# Altium PCB nova34.PcbDoc (part 1 of 4) (continued)
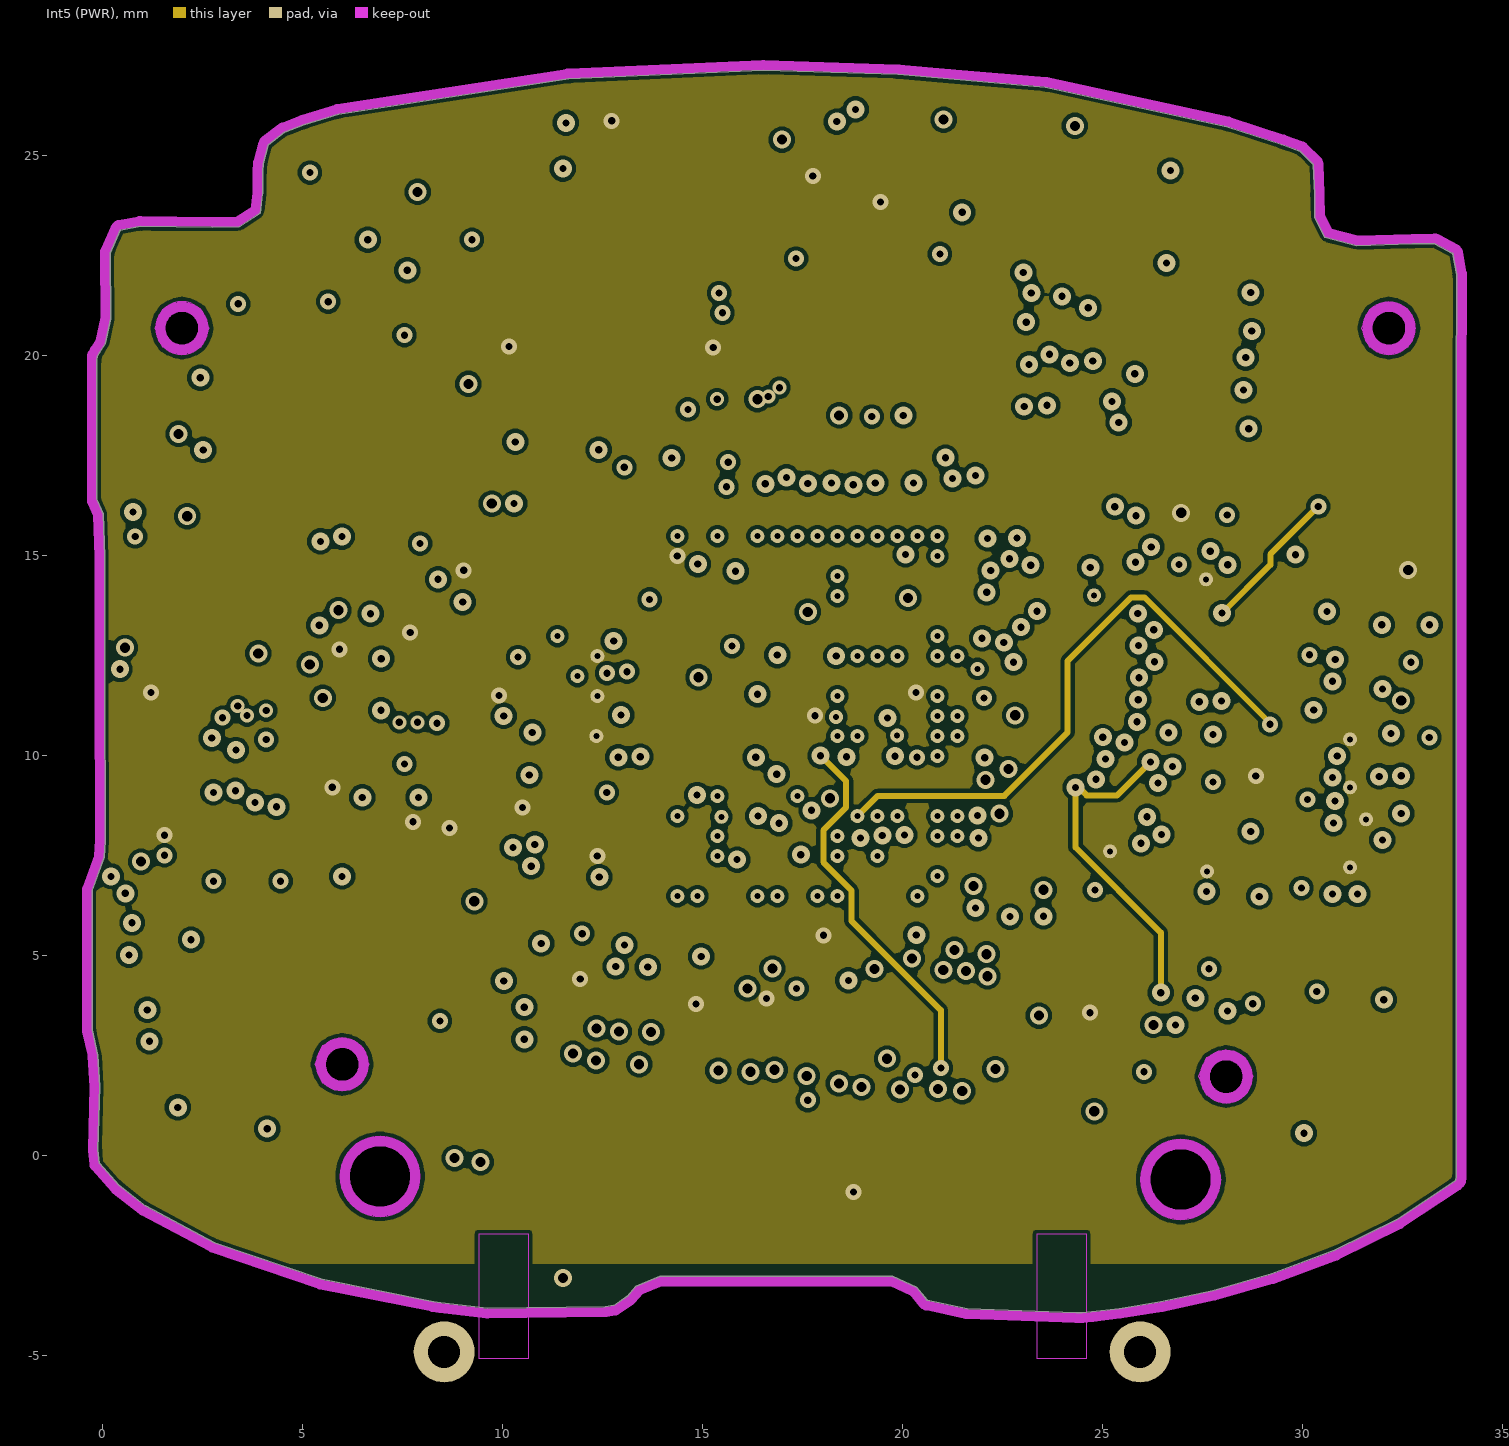
[diagram p6: Int5 (PWR)]
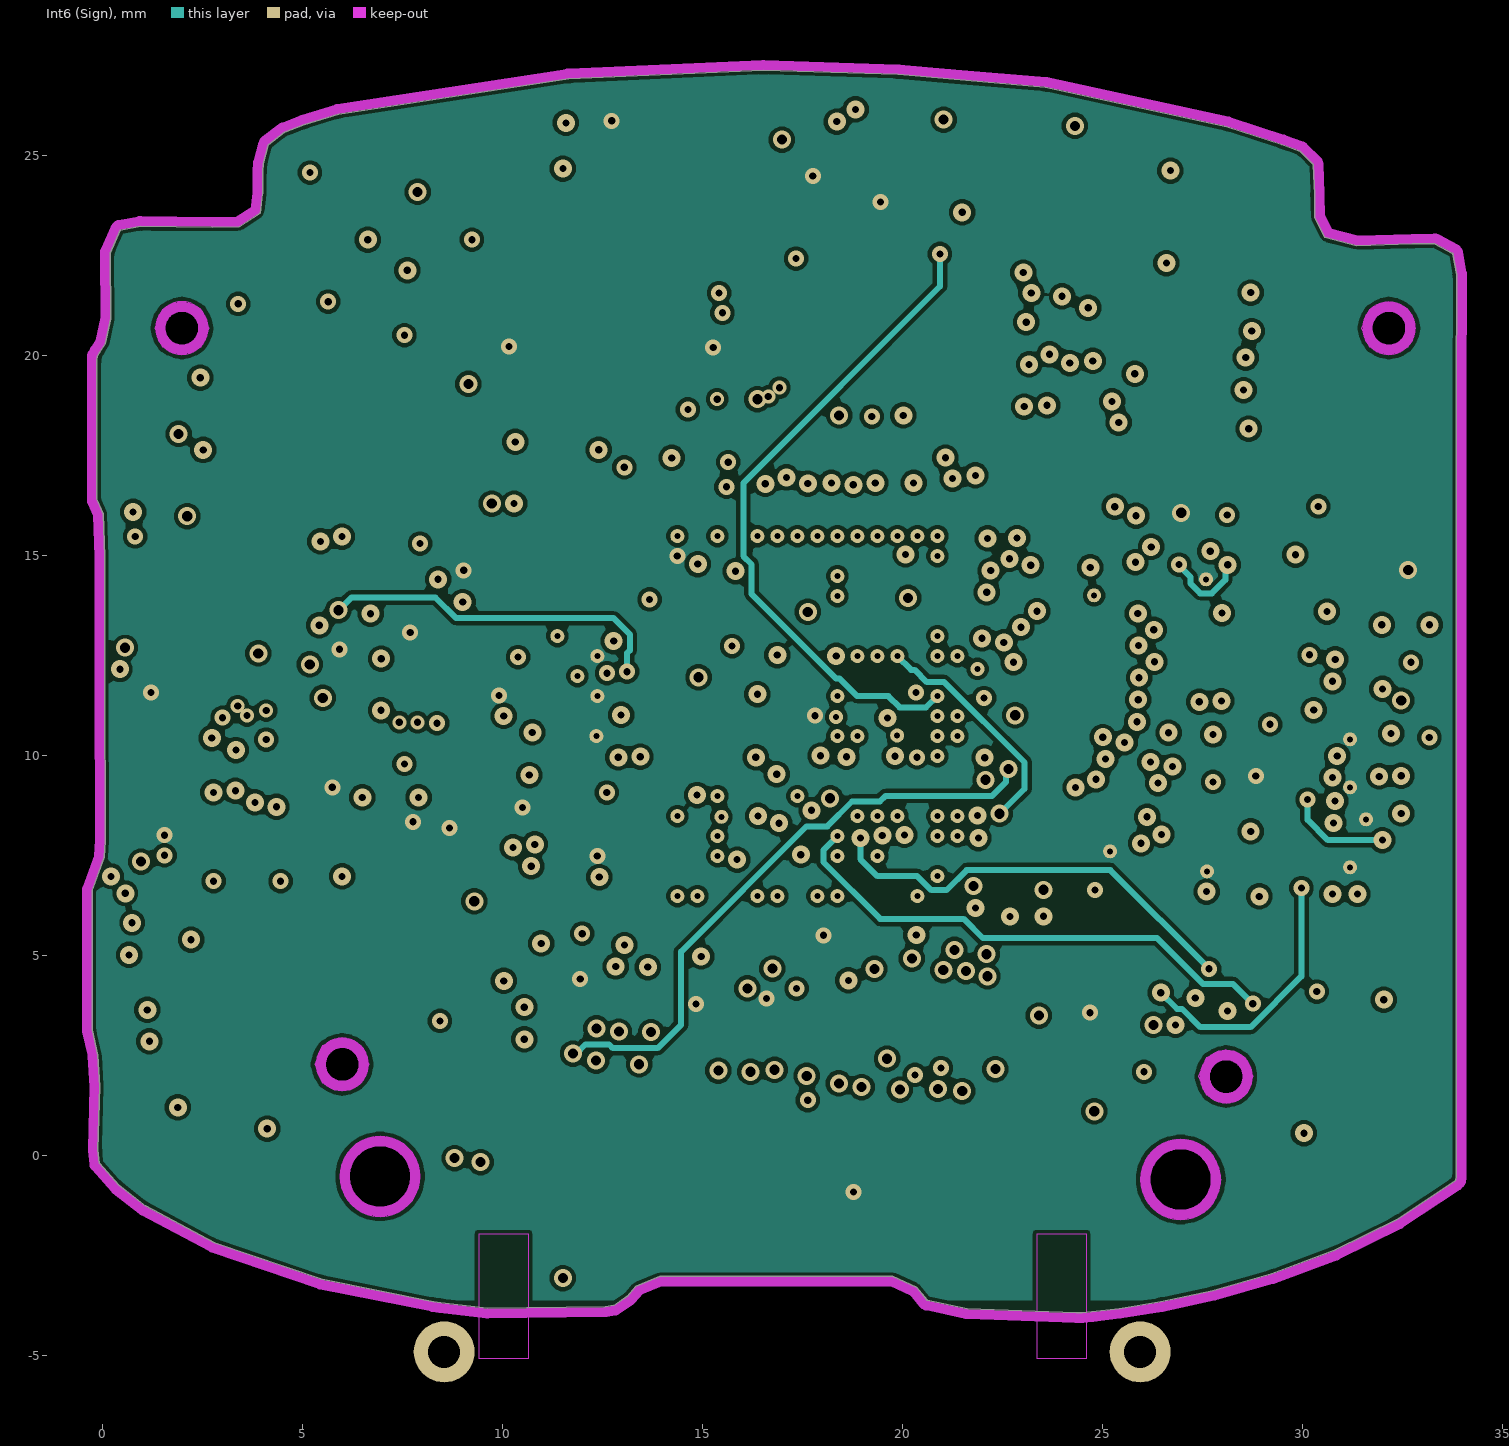
[diagram p7: Int6 (Sign)]
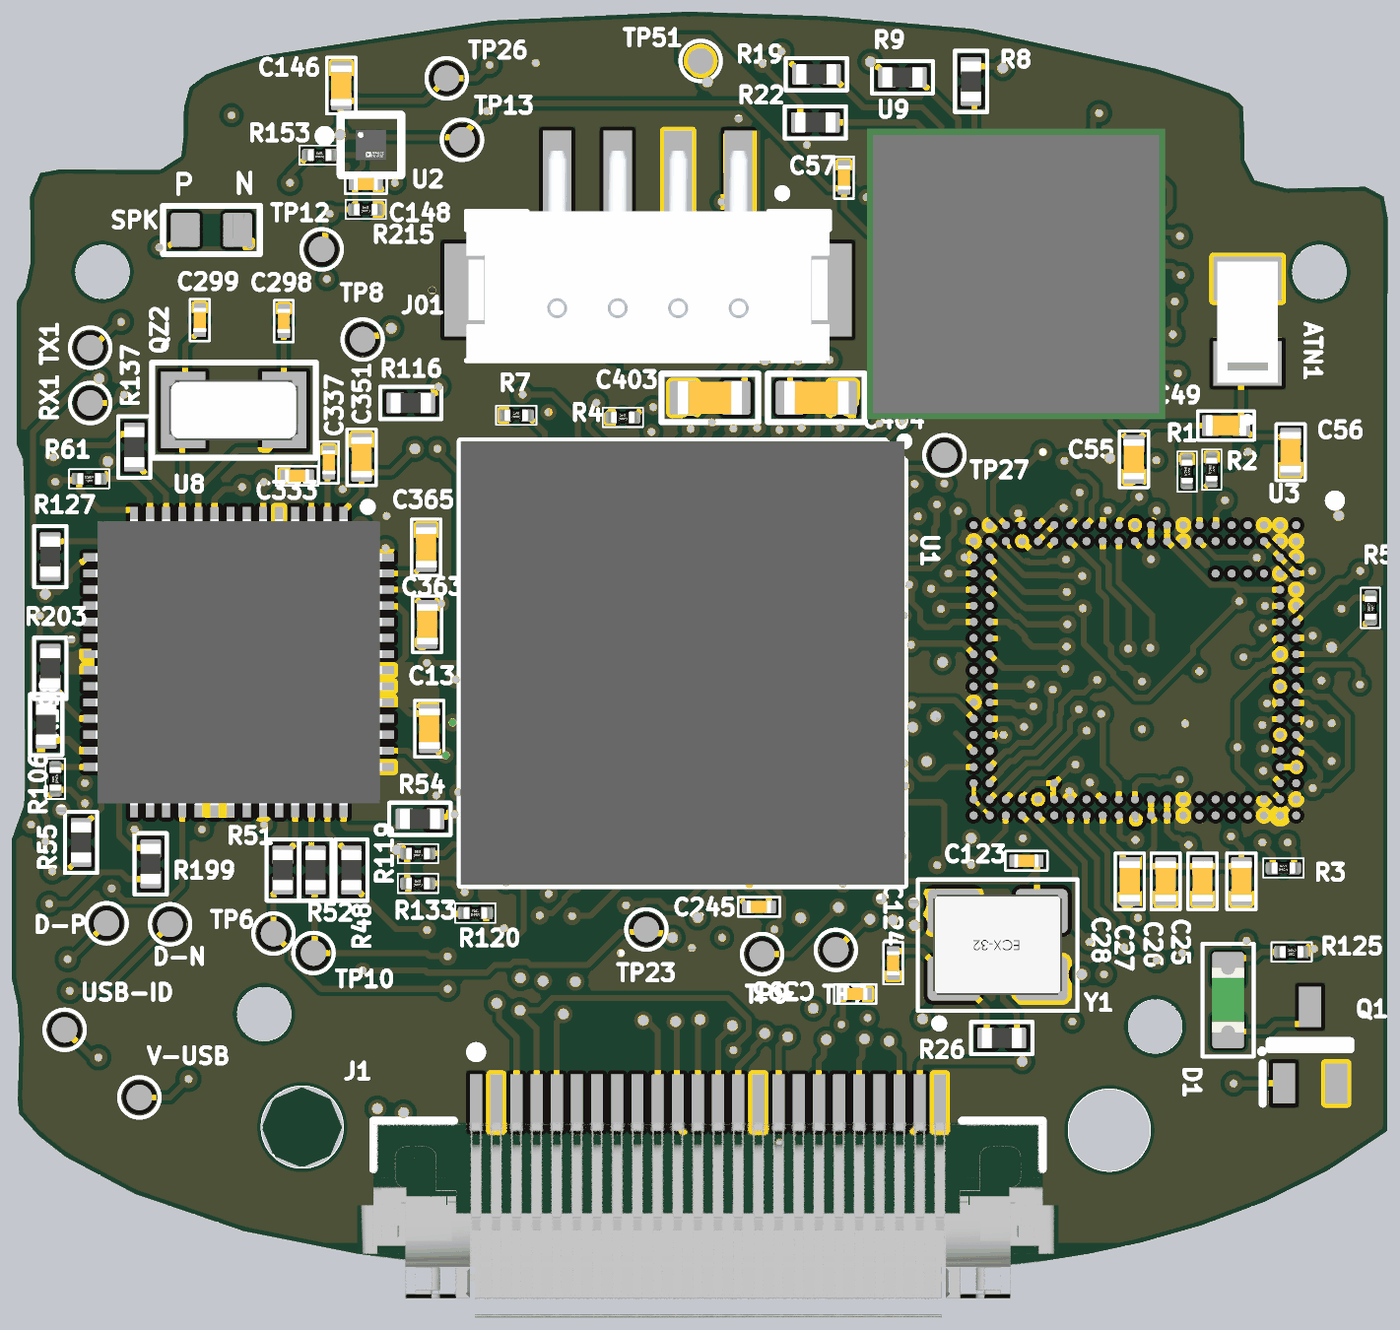
[diagram p11: 3D render of the assembled board from above, using the file's embedded part models]
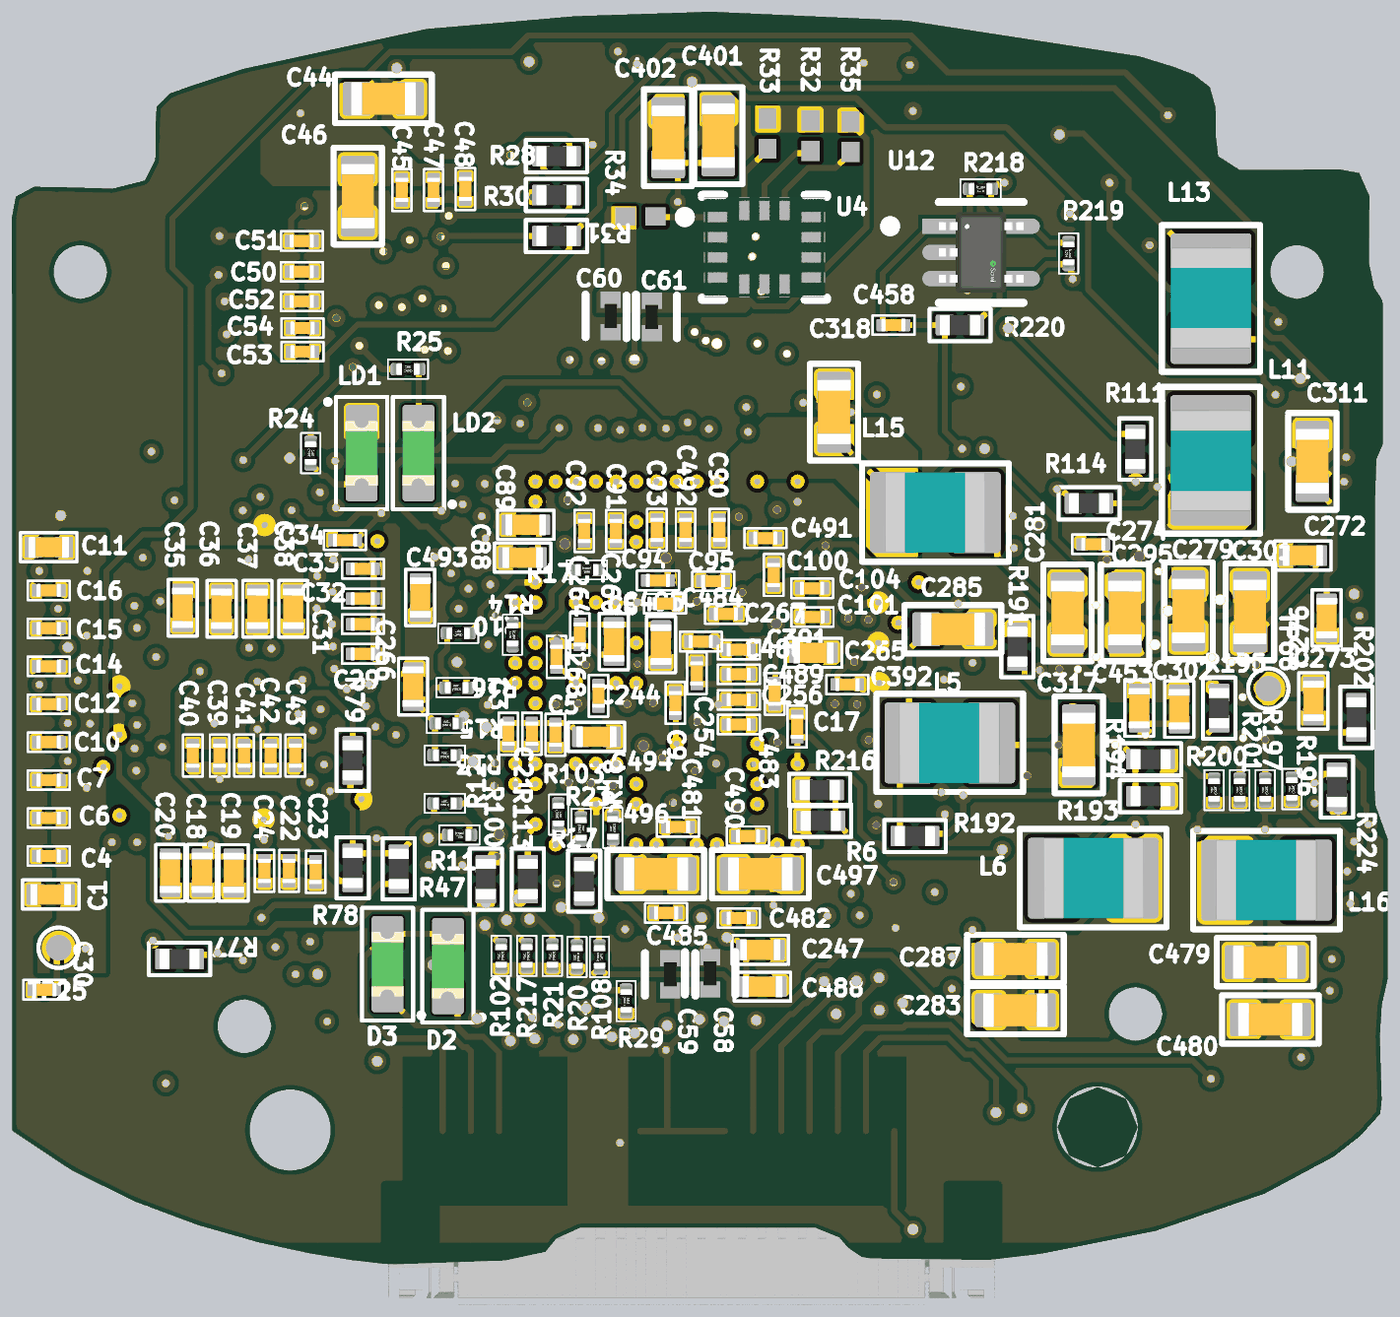
[diagram p12: 3D render of the assembled board from below, using the file's embedded part models]

## Layer stack, top to bottom
Top Solder: solder mask 0.0254, SM-001, Dk 4
Top Layer: signal copper 0.035
Dielectric 1: prepreg 0.0711, PP-006, Dk 4.1
Dielectric 2: prepreg 0.0711, PP-006, Dk 4.1
Int1 (Sign): signal copper 0.035
Dielectric 3: core 0.2286, Core-027, Dk 4.5
Int2 (GND): signal copper 0.035
Dielectric 4: prepreg 0.0711, PP-006, Dk 4.1
Dielectric 5: prepreg 0.0711, PP-006, Dk 4.1
Int3 (Sign): signal copper 0.035
Dielectric 6: core 0.2286, Core-027, Dk 4.5
Int4 (Sign): signal copper 0.035
Dielectric 7: prepreg 0.0711, PP-006, Dk 4.1
Dielectric 8: prepreg 0.0711, PP-006, Dk 4.1
Int5 (PWR): signal copper 0.035
Dielectric 9: core 0.2286, Core-027, Dk 4.5
Int6 (Sign): signal copper 0.035
Dielectric 10: prepreg 0.0711, PP-006, Dk 4.1
Dielectric 11: prepreg 0.0711, PP-006, Dk 4.1
Bottom Layer: signal copper 0.035
Bottom Solder: solder mask 0.0254, SM-001, Dk 4

## Board outline
-0.082,-0.204 0.411,-0.753 1.073,-1.27 2.792,-2.188 5.481,-3.109 8.272,-3.665 8.456,-3.694 9.623,-3.833 12.563,-3.796 12.78,-3.758 13.115,-3.531 13.332,-3.276 13.937,-3.031 16.477,-3.031 19.751,-3.031 20.346,-3.3 20.615,-3.63 21.614,-3.846 24.335,-3.942 24.488,-3.938 24.732,-3.917 25.416,-3.835 26.45,-3.669 27.75,-3.389 29.228,-2.967 30.797,-2.383 32.37,-1.603 33.794,-0.657 33.833,-0.618 33.844,-0.555 33.844,1.55 33.844,18.973 33.851,22.016 33.752,22.541 33.759,22.537 33.301,22.785 32.746,22.778 31.35,22.739 30.553,22.941 30.303,23.434 30.298,24.004 30.262,24.769 29.934,25.097 29.472,25.265 28.105,25.711 23.563,26.7 21.154,26.905 19.892,27.016 16.517,27.127 11.647,26.907 5.899,26.023 5.034,25.757 4.548,25.57 4.145,25.258 4.01,24.783 3.996,24.595 3.996,24.039 3.936,23.543 3.41,23.204 2.746,23.2 0.946,23.221 0.439,23.125 0.188,22.555 0.202,20.914 0.071,20.287 -0.078,20.064 -0.135,19.961 -0.142,19.88 -0.142,16.394 0.014,16.029 0.05,14.959 0.05,11.905 0.06,7.863 0.039,7.448 -0.266,6.605 -0.266,3.137 -0.121,2.499 -0.071,1.716 -0.117,0.136
cut-out: 27.428,1.963 ccw(c28.089,1.963) 28.089,1.302 ccw(c28.089,1.963) 28.749,1.963 ccw(c28.089,1.963) 28.089,2.623 ccw(c28.089,1.963)
cut-out: 5.33,2.268 ccw(c5.991,2.268) 5.991,1.607 ccw(c5.991,2.268) 6.651,2.268 ccw(c5.991,2.268) 5.991,2.928 ccw(c5.991,2.268)
cut-out: 31.497,20.675 ccw(c32.158,20.675) 32.158,20.014 ccw(c32.158,20.675) 32.818,20.675 ccw(c32.158,20.675) 32.158,21.335 ccw(c32.158,20.675)
cut-out: 1.321,20.676 ccw(c1.981,20.676) 1.981,20.015 ccw(c1.981,20.676) 2.642,20.676 ccw(c1.981,20.676) 1.981,21.336 ccw(c1.981,20.676)
cut-out: 5.929,-0.533 ccw(c6.934,-0.533) 6.934,-1.538 ccw(c6.934,-0.533) 7.939,-0.533 ccw(c6.934,-0.533) 6.934,0.471 ccw(c6.934,-0.533)
cut-out: 25.945,-0.61 ccw(c26.949,-0.61) 26.949,-1.614 ccw(c26.949,-0.61) 27.954,-0.61 ccw(c26.949,-0.61) 26.949,0.395 ccw(c26.949,-0.61)
cut-out: 27.605,1.492 27.409,1.968 27.605,2.442 28.078,2.641 28.551,2.444 28.748,1.968 28.551,1.492 28.078,1.294
cut-out: 26.263,-1.316 25.972,-0.615 26.263,0.086 26.964,0.377 27.664,0.086 27.956,-0.615 27.664,-1.316 26.964,-1.607
cut-out: 26.263,-1.316 25.972,-0.615 26.263,0.086 26.964,0.377 27.664,0.086 27.956,-0.615 27.664,-1.316 26.964,-1.607
cut-out: 5.507,1.796 5.311,2.272 5.507,2.747 5.98,2.946 6.453,2.748 6.65,2.272 6.453,1.796 5.98,1.599
cut-out: 6.225,-1.241 5.934,-0.541 6.225,0.16 6.926,0.451 7.627,0.16 7.918,-0.541 7.627,-1.241 6.926,-1.533
cut-out: 1.507,20.194 1.311,20.67 1.507,21.146 1.98,21.343 2.453,21.146 2.65,20.67 2.453,20.194 1.98,19.997
cut-out: 31.678,20.194 31.481,20.67 31.678,21.146 32.15,21.343 32.623,21.146 32.82,20.67 32.623,20.194 32.15,19.997

## Design rules (kind name [scope] priority, off if disabled: settings)
Clearance [All] p1: gap=0.1 ignorepadtopadclearanceinfootprint=FALSE except(0: SMDPad-Fill SMDPad-Region THPad-Fill THPad-Region)
DiffPairsRouting [All] p1: maxlimit=0.254 minlimit=0.254 mostfreqgap=0.254 toplayer_minwidth=0.381 toplayer_maxwidth=0.381 toplayer_prefwidth=0.381 midlayer1_minwidth=0.381 midlayer1_maxwidth=0.381 midlayer1_prefwidth=0.381 midlayer2_minwidth=0.381 midlayer2_maxwidth=0.381 midlayer2_prefwidth=0.381 midlayer3_minwidth=0.381 midlayer3_maxwidth=0.381 midlayer3_prefwidth=0.381 midlayer4_minwidth=0.381 midlayer4_maxwidth=0.381 midlayer4_prefwidth=0.381 midlayer5_minwidth=0.381 midlayer5_maxwidth=0.381 midlayer5_prefwidth=0.381 midlayer6_minwidth=0.381 midlayer6_maxwidth=0.381 midlayer6_prefwidth=0.381 bottomlayer_minwidth=0.381 bottomlayer_maxwidth=0.381 bottomlayer_prefwidth=0.381 maxuncoupledlength=12.7
PlaneClearance [All] p1: clearance=0.254
PolygonConnect [All] p1: connectstyle=Direct reliefconductorwidth=0.254 reliefentries=4 polygonreliefangle="90 Angle" airgapwidth=0.254
RoutingVias [All] p1: holewidth=0.711 width=1.27 viastyle="Through Hole" minholewidth=0.18 minwidth=0.3 maxholewidth=0.711 maxwidth=1.27
SolderMaskExpansion [All] p1: expansion=0.102 istentingtop=FALSE
Width [All] p1: maxlimit=2 minlimit=0.05 preferedwidth=0.254
28 further rules are at their usual default settings.

## Classes and differential pairs
component class IMU_DISPLAY: C58 C59 C60 C61 D2 D3 K1 R32 R33 R34 R35 U4
component class "Page13 SOM Interface": BH1 BH2 BH3 C401 C402 C403 C404 J4 J5 J7 R116 TP51
component class "Page12 PMIC PCA9450B": C13 C272 C273 C274 C276 C279 C281 C283 C285 C287 C295 C298 C299 C301 C302 C311 C317 C318 C333 C337 C351 C363 C365 C453 C479 C480 J01 J6 L5 L6 L11 L13 L15 L16 QZ2 R48 R51 R52 R54 R55 R61 R106 R111 R114 R127 R137 R191 R192 R193 R194 R195 R196 R197 R198 R199 R200 R201 R202 R203 R224 TP23 TP25 TP26 TP27 TP68 U8
component class "Page11 BOOT_CFG": R47 R77 R78 R79
component class "Page10 WIFI&Bluetooth": ATN1 C44 C45 C46 C47 C48 C49 C50 C51 C52 C53 C54 C55 C56 C57 C146 C148 C454 C455 C456 C457 LD1 LD2 R8 R9 R19 R22 R24 R25 R28 R30 R31 R115 R129 R130 R131 R132 R153 R205 R206 R207 R208 R209 R210 R211 R212 R213 R214 R215 TP12 TP13 TP24 TP66 TP67 U2 U7 U9
component class "Page08 CPU MISC": C123 C124 R18 R20 R21 R23 R26 R27 R100 R102 R103 R113 R217 TP6 TP7 TP8 TP9 TP10 Y1
component class "Page07 CPU PHY": C393 D-N D-P J1 R29 R108 USB-ID V-USB
component class "Page06 CPU IO": C245 C458 D1 Q1 R10 R11 R12 R13 R14 R15 R16 R17 R119 R120 R125 R133 R218 R219 R220 RX1 TX1 U12
component class "Page05 DDR4L+eMMC": C1 C4 C6 C7 C10 C11 C12 C14 C15 C16 C18 C19 C20 C22 C23 C24 C25 C26 C27 C28 C29 C31 C32 C33 C34 C35 C36 C37 C38 C39 C40 C41 C42 C43 C460 C461 C462 C463 C465 C466 C467 C468 C469 C470 C471 C474 C475 C476 C477 C478 R1 R2 R3 R4 R5 R6 R7 R222 R223 U1 U3 U15
differential pair class CSI_D3: CSI_D3
differential pair class CSI_CK_PAIR_CLASS: CSI_CK
component class "Page04 CPU PWR": C3 C5 C8 C9 C17 C21 C30 C88 C89 C90 C91 C92 C93 C94 C95 C100 C101 C104 C244 C247 C254 C256 C260 C264 C265 C266 C267 C268 C391 C392 C481 C482 C483 C484 C485 C486 C488 C489 C490 C491 C492 C493 C494 C495 C496 C497 R216
differential pair CSI_D3: +"" -""
differential pair CSI_CK: +"" -""

## Components (designator, comment, footprint, x,y, rotation, side; value= is the part's Value field where it differs from the comment)
ATN1 "M310220" M310220 30.378,19.456 r90 top
C1 "4.7uF" "0402_CC - C" 32.887,5.232 r180 bottom
C3 "0.22UF" "0201_CC - C" 21.539,9.22 r270 bottom
C4 "0.22uF" "0201_CC - C" 32.937,6.189 r180 bottom
C5 "0.22UF" "0201_CC - C" 20.371,9.195 r270 bottom
C6 "0.22uF" "0201_CC - C" 32.937,7.13 r180 bottom
C7 "0.22uF" "0201_CC - C" 32.937,8.071 r180 bottom
C8 "0.22UF" "0201_CC - C" 17.653,12.446 r180 bottom
C9 "0.22UF" "0201_CC - C" 17.399,9.982 r90 bottom
C10 "0.22uF" "0201_CC - C" 32.937,9.012 r180 bottom
C11 "4.7uF" "0402_CC - C" 32.937,13.846 r180 bottom
C12 "0.22uF" "0201_CC - C" 32.937,9.953 r180 bottom
C13 "4.7UF" "0402_CC - C" 10.084,9.347 r270 top
C14 "0.22uF" "0201_CC - C" 32.937,10.894 r180 bottom
C15 "0.22uF" "0201_CC - C" 32.937,11.835 r180 bottom
C16 "0.22uF" "0201_CC - C" 32.937,12.775 r180 bottom
C17 "0.22UF" "0201_CC - C" 14.376,9.398 r90 bottom
C18 "10uF" "0402_CC - C" 29.134,5.772 r270 bottom
C19 "10uF" "0402_CC - C" 28.351,5.768 r270 bottom
C20 "10uF" "0402_CC - C" 29.926,5.772 r270 bottom
C21 "0.22UF" "0201_CC - C" 20.955,9.22 r270 bottom
C22 "0.22uF" "0201_CC - C" 26.979,5.819 r270 bottom
C23 "0.22uF" "0201_CC - C" 26.319,5.794 r270 bottom
C24 "0.22uF" "0201_CC - C" 27.589,5.819 r270 bottom
C25 "10uF" "0402_CC - C" 30.226,5.563 r270 top
C26 "10uF" "0402_CC - C" 29.261,5.563 r270 top
C27 "10uF" "0402_CC - C" 28.346,5.563 r270 top
C28 "10uF" "0402_CC - C" 27.457,5.563 r270 top
C29 "0.22uF" "0201_CC - C" 25.146,11.201 r0 bottom
C30 "0.22UF" "0201_CC - C" 33.045,2.87 r0 bottom
C31 "0.22uF" "0201_CC - C" 25.146,11.938 r0 bottom
C32 "0.22uF" "0201_CC - C" 25.146,12.573 r0 bottom
C33 "0.22uF" "0201_CC - C" 25.146,13.31 r0 bottom
C34 "0.22uF" "0201_CC - C" 25.59,14.021 r0 bottom
C35 "10uF" "0402_CC - C" 29.616,12.344 r270 bottom
C36 "10uF" "0402_CC - C" 28.651,12.319 r270 bottom
C37 "10uF" "0402_CC - C" 27.762,12.319 r270 bottom
C38 "10uF" "0402_CC - C" 26.873,12.319 r270 bottom
C39 "0.22uF" "0201_CC - C" 28.702,8.678 r90 bottom
C40 "0.22uF" "0201_CC - C" 29.362,8.678 r90 bottom
C41 "0.22uF" "0201_CC - C" 28.092,8.678 r90 bottom
C42 "0.22uF" "0201_CC - C" 27.432,8.678 r90 bottom
C43 "0.22uF" "0201_CC - C" 26.822,8.678 r90 bottom
C44 "22uF" 0603_CC 24.638,24.968 r180 bottom
C45 "0.1uF" "0201_CC - C" 24.181,22.708 r270 bottom
C46 "22uF" 0603_CC 25.273,22.555 r270 bottom
C47 "0.1uF" "0201_CC - C" 23.393,22.708 r270 bottom
C48 "0.1uF" "0201_CC - C" 22.606,22.733 r270 bottom
C49 "10PF" "0402_CC - C" 29.845,16.866 r0 top
C50 "1uF" "0201_CC - C" 26.661,20.679 r180 bottom
C51 "0.1uF" "0201_CC - C" 26.661,21.441 r180 bottom
C52 "0.1uF" "0201_CC - C" 26.661,19.942 r180 bottom
C53 "0.1uF" "0201_CC - C" 26.645,18.694 r180 bottom
C54 "0.1uF" "0201_CC - C" 26.645,19.282 r180 bottom
C55 "10PF" "0402_CC - C" 27.559,16.027 r270 top
C56 "10PF" "0402_CC - C" 31.445,16.205 r270 top
C57 "1UF" "0201_CC - C" 20.371,23.012 r90 top
C58 "GRM155R71C104KA88D" FP-GRM15-MFG 16.535,3.277 r270 bottom value=0.10μF
C59 "GRM155R71C104KA88D" FP-GRM15-MFG 17.526,3.251 r270 bottom value=0.10μF
C60 "GRM155R71C104KA88D" FP-GRM15-MFG 18.999,19.583 r90 bottom value=0.10μF
C61 "GRM155R71C104KA88D" FP-GRM15-MFG 17.983,19.558 r90 bottom value=0.10μF
C88 "10UF" "0402_CC - C" 21.184,13.589 r0 bottom
C89 "10UF" "0402_CC - C" 21.107,14.402 r0 bottom
C90 "1UF" "0201_CC - C" 16.307,14.275 r90 bottom
C91 "1UF" "0201_CC - C" 18.872,14.249 r90 bottom
C92 "1UF" "0201_CC - C" 19.66,14.249 r90 bottom
C93 "1UF" "0201_CC - C" 17.856,14.275 r90 bottom
C94 "1UF" "0201_CC - C" 17.831,13.022 r0 bottom
C95 "1UF" "0201_CC - C" 16.459,13.005 r180 bottom
C100 "0.22UF" "0201_CC - C" 14.961,13.157 r90 bottom
C101 "0.22UF" "0201_CC - C" 13.995,12.116 r180 bottom
C104 "0.22UF" "0201_CC - C" 14.005,12.827 r180 bottom
C123 "12PF" "0201_CC - C" 24.892,6.071 r180 top
C124 "12PF" "0201_CC - C" 21.59,3.531 r270 top
C146 "4.7UF" "0402_CC - C" 7.903,25.295 r90 top
C148 "0.22UF" "0201_CC - C" 8.512,22.857 r0 top
C244 "0.22UF" "0201_CC - C" 19.304,10.16 r90 bottom
C245 "18PF" "0201_CC - C" 18.263,4.928 r0 top
C247 "10UF" "0402_CC - C" 15.291,3.861 r180 bottom
C254 "1UF" "0201_CC - C" 16.866,10.719 r90 bottom
C256 "1UF" "0201_CC - C" 15.824,10.058 r180 bottom
C260 "4.7UF" "0402_CC - C" 18.923,11.506 r270 bottom
C264 "0.22UF" "0201_CC - C" 19.765,11.683 r270 bottom
C265 "10UF" "0402_CC - C" 13.97,11.227 r180 bottom
C266 "10UF" "0402_CC - C" 23.901,10.389 r90 bottom
C267 "1UF" "0201_CC - C" 16.141,12.192 r0 bottom
C268 "2200PF" "0201_CC - C" 20.345,11.125 r90 bottom
C272 "1UF" "0402_CC - C" 1.835,13.64 r0 bottom
C273 "1.0UF" "0402_CC - C" 1.575,10.033 r90 bottom
C274 "1UF" "0201_CC - C" 7.036,13.919 r180 bottom
C276 "1.0UF" "0402_CC - C" 1.245,12.09 r270 bottom
C279 "10UF" 0603_CC 4.674,12.268 r90 bottom
C281 "10UF" 0603_CC 7.671,12.217 r90 bottom
C283 "22UF" 0603_CC 8.966,2.362 r0 bottom
C285 "22UF" 0603_CC 10.516,11.811 r180 bottom
C287 "22UF" 0603_CC 8.966,3.632 r0 bottom
C295 "10UF" 0603_CC 6.248,12.217 r90 bottom
C298 "18PF" "0201_CC - C" 6.477,19.456 r90 top
C299 "18PF" "0201_CC - C" 4.394,19.482 r90 top
C301 "10UF" 0603_CC 3.15,12.243 r90 bottom
C302 "4.7UF" "0402_CC - C" 4.902,9.83 r270 bottom
C311 "22UF" 0603_CC 1.6,15.977 r90 bottom
C317 "22UF" 0603_CC 7.391,8.941 r270 bottom
C318 "22UF" 0603_CC 13.462,17.196 r90 bottom
C333 "1UF" "0201_CC - C" 6.807,15.621 r180 top
C337 "1UF" "0201_CC - C" 7.595,15.951 r90 top
C351 "1UF" "0402_CC - C" 8.407,16.078 r90 top
C363 "2.2uF" "0402_CC - C" 10.033,11.938 r270 top
C365 "1UF" "0402_CC - C" 10.008,13.843 r90 top
C391 "1UF" "0201_CC - C" 14.935,10.211 r270 bottom
C392 "0.22UF" "0201_CC - C" 13.132,10.439 r180 bottom
C393 "0.22UF" "0201_CC - C" 20.65,2.769 r0 top
C401 "10UF" 0603_CC 16.332,24.054 r270 bottom
C402 "10UF" 0603_CC 17.577,24.003 r270 bottom
C403 "22UF" 0603_CC 17.043,17.551 r180 top
C404 "22UF" 0603_CC 19.685,17.551 r0 top
C453 "4.7UF" "0402_CC - C" 5.893,9.855 r270 bottom
C458 "1UF" "0201_CC - C" 11.989,19.355 r0 bottom
C479 "22UF" 0603_CC 2.769,3.556 r180 bottom
C480 "22UF" 0603_CC 2.642,2.134 r180 bottom
C481 "1UF" "0201_CC - C" 17.332,6.906 r0 bottom
C482 "1UF" "0201_CC - C" 15.824,4.648 r180 bottom
C483 "1UF" "0201_CC - C" 15.824,9.449 r180 bottom
C484 "1UF" "0201_CC - C" 16.764,11.506 r0 bottom
C485 "0.22UF" "0201_CC - C" 17.628,4.775 r0 bottom
C486 "0.22UF" "0201_CC - C" 15.824,11.303 r180 bottom
C488 "10UF" "0402_CC - C" 15.24,2.946 r180 bottom
C489 "1UF" "0201_CC - C" 15.824,10.693 r180 bottom
C490 "1UF" "0201_CC - C" 15.596,6.68 r180 bottom
C491 "0.22UF" "0201_CC - C" 15.164,14.072 r180 bottom
C492 "0.22UF" "0201_CC - C" 17.145,14.275 r90 bottom
C493 "10UF" "0402_CC - C" 23.724,12.598 r270 bottom
C494 "10UF" "0402_CC - C" 19.355,9.144 r180 bottom
C495 "10UF" "0402_CC - C" 17.755,11.43 r270 bottom
C496 "22UF" 0603_CC 17.882,5.74 r0 bottom
C497 "22UF" 0603_CC 15.291,5.74 r180 bottom
D1 "LED GREEN" LED_0603 29.896,2.616 r270 top
D2 "LED GREEN" LED_0603 23.038,3.454 r270 bottom
D3 "LED GREEN" LED_0603 24.536,3.505 r270 bottom
D-N "Test Pin1" "Test Pin" 3.658,4.496 r90 top
D-P "Test Pin1" "Test Pin" 2.083,4.521 r90 top
J1 "52892-2433" MOLX-52892-2433 16.997,-1.499 r0 top
J01 "B4B-ZR-SM4-TF" JST_B4B-ZR-SM4-TFT(LF)(SN) 15.507,20.327 r180 top
K1 "ST0103A2W" DPAK70P1823X500-20N 2.749,-30.26 r0 bottom
L5 "0.47UH" ind_sph2520 10.592,8.992 r0 bottom
L6 "0.47UH" ind_sph2520 7.036,5.639 r180 bottom
L11 "0.47UH" ind_sph2520 4.115,16.002 r270 bottom
L13 "0.47UH" IND_SPH2520 4.115,20.015 r90 bottom
L15 "0.47UH" ind_sph2520 10.947,14.707 r0 bottom
L16 "0.47UH" ind_sph2520 2.737,5.588 r0 bottom
LD1 "LED GREEN" LED_0603 25.177,16.18 r90 bottom
LD2 "LED GREEN" LED_0603 23.768,16.18 r270 bottom
Q1 "NX3008NBKW,115" SOT65P210X110-3N 31.928,1.499 r90 top